# Altium PCB fMAX_MB.PcbDoc (part 11 of 13) (continued)
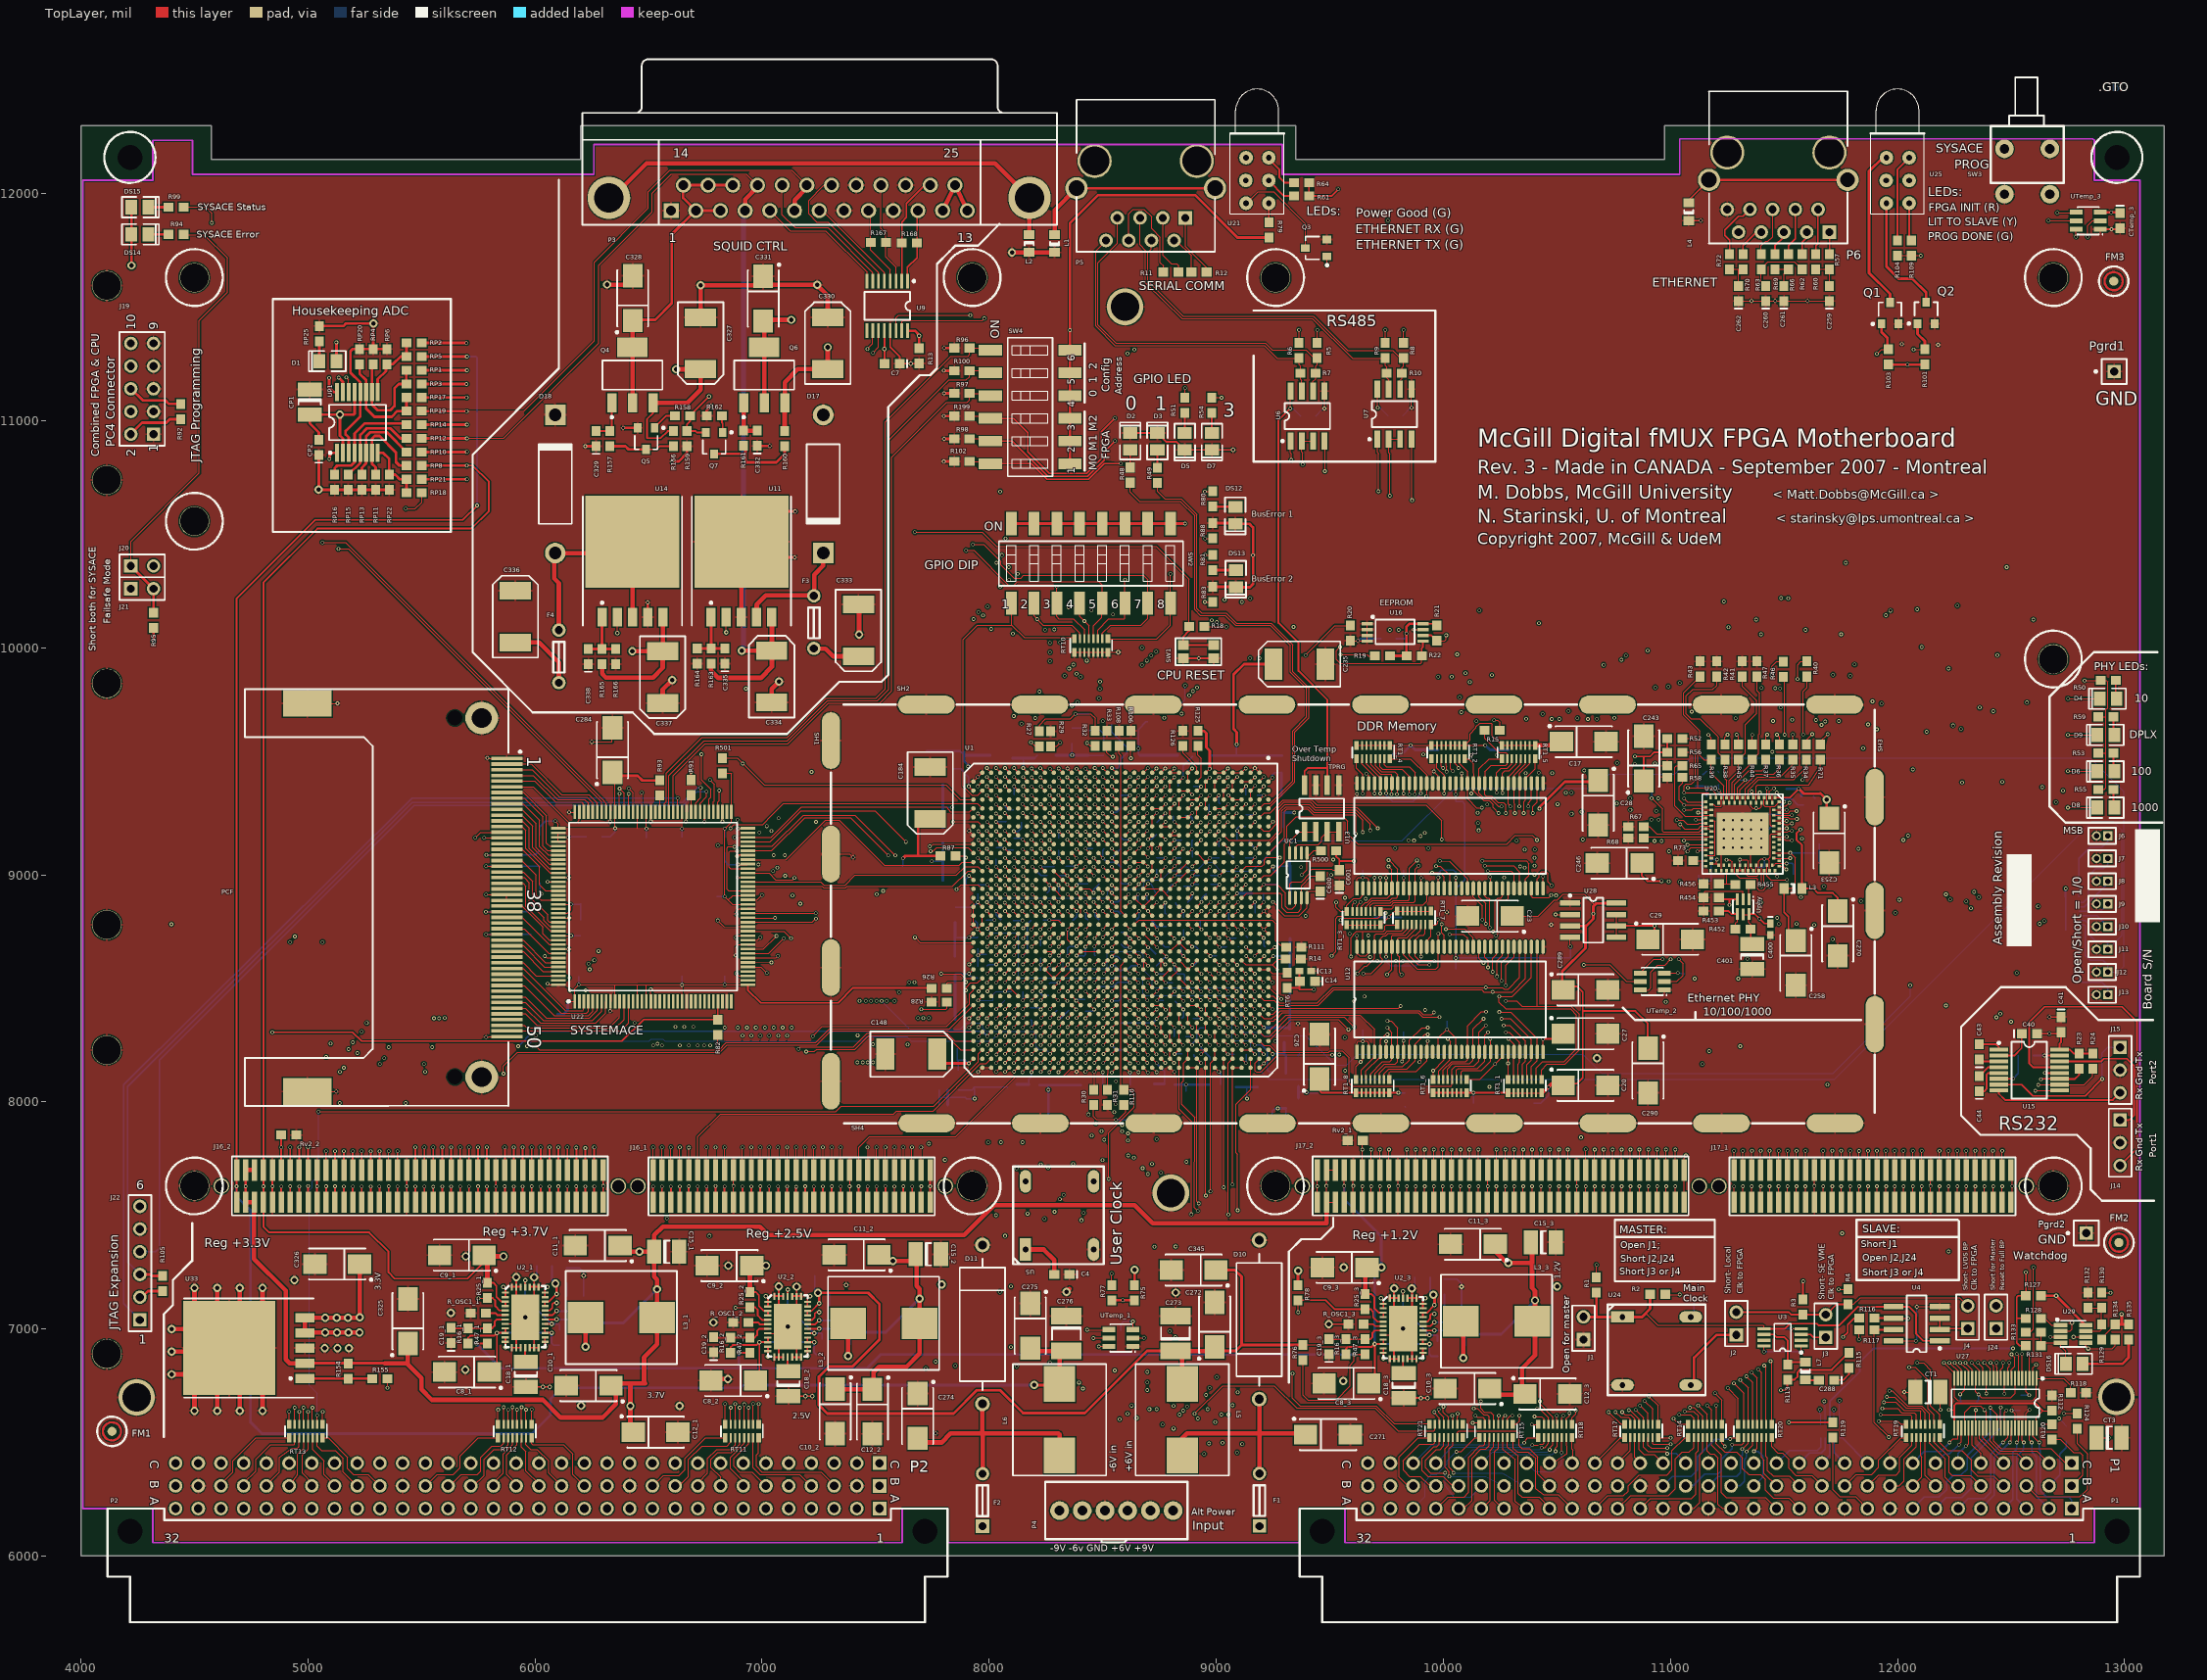
[diagram p0: TopLayer view]
## Nets (pads, with @x,y where several pads share a name; then routed paths per layer and width w, separated by ;. In a path a pad name is that pad's centre, name@x,y a point inside that pad or via, vN(x,y) a via of type N, cw(c..) or ccw(c..) an arc to the next point about the centre after c; other vN are vias at no path point) (continued)
  MidLayer1 w5: v1(8095.47,7187.01) 8311.02,7187.01 8339.57,7215.55 10395.67,7215.55 10465.55,7145.67 11010.83,7145.67 11032.48,7167.32 11671.26,7167.32 11694.88,7143.7 12498.03,7143.7 12571.85,7069.88 12571.85,6890.15 v1(12572,6890)
  MidLayer6 w5: v1(7990,8368) 7990.27,8368 8010.83,8347.44 8010.83,8321.85 8022.64,8310.04 8151.57,8310.04 8169.29,8292.32 8169.29,7790.35 8095.47,7716.54 v1(8095.47,7187.01)
VME_D2: U1.AN28 U27.5 | length 6220.4
  TopLayer w5: v1(7951,8368) 7969.61,8386.61 U1.AN28@7969.76,8386.61 ; U27.5@12549.11,6782.25 v1(12549.11,6889.89)
  MidLayer1 w5: v1@8047.24,7162.4 8303.15,7162.4 8335.47,7194.72 9759.68,7194.72 9769.68,7204.72 10381.89,7204.72 10452.76,7133.86 11491.14,7133.86 11497.87,7127.13 12162.24,7127.13 12224.25,7065.12 12240,7049.37 12474.25,7049.37 12549.11,6974.51 v1@12549.11,6891.83
  MidLayer6 w5: v1(7951,8368) 7951.88,8368 7972.44,8347.44 7972.44,8284.45 7989.17,8267.72 8116.14,8267.72 8129.92,8253.94 8129.92,7790.35 8047.24,7707.68 v1@8047.24,7162.4
  other v1: 8047.24,7163.39
VME_D3: U1.AH24 U27.6 | length 6454.3
  TopLayer w5: v1(8149,8526) 8166.61,8543.61 U1.AH24@8166.61,8544.09 ; v1(12525,6889) 12533.36,6880.64 U27.6@12533.36,6782.25
  MidLayer3 w5: v1(9606.3,8443.9) 10249.02,8443.9 10282.32,8477.2 10782.32,8477.2 10962.44,8657.32 12435.2,8657.32 v1(12524.61,8567.91)
  MidLayer5 w5: v1(12524.61,8567.91) 12524.61,8105.55 12611.22,8018.94 12611.22,7586.61 12628.54,7569.3 12628.54,7041.92 12525,6938.39 v1(12525,6889)
  MidLayer4 w5: v1(8149,8526) 8149,8524.23 8169.29,8503.94 8355.32,8503.94 8365.16,8494.09 8365.16,8476.38 8376.97,8464.57 9246.06,8464.57 9275.59,8435.04 9504.92,8435.04 9513.78,8443.9 v1(9606.3,8443.9)
VME_D4: U1.AH23 U27.8 | length 6211.5
  TopLayer w5: v1(8147,8563) 8166.61,8582.61 U1.AH23@8166.61,8583.46 ; U27.8@12501.87,6782.25 12501.87,6820.76 12515.75,6834.65 12515.75,6874.25 v1(12501.87,6888.13)
  MidLayer5 w5: v1(12499.88,8353.23) 12499.88,8121.93 12493.11,8115.16 12493.11,7826.51 12524.61,7795.02 12524.61,6962.6 12485.24,6923.23 12485.24,6904.76 v1(12501.87,6888.13)
  MidLayer4 w5: v1(8147,8563) 8147,8561.66 8165.35,8543.31 8577.76,8543.31 8617.13,8503.94 9104.33,8503.94 9110.24,8509.84 9110.24,8536.42 9121.06,8547.24 9135.83,8547.24 9152.56,8563.98 9152.56,8580.71 9163.9,8592.05 9233.74,8592.05 9260.83,8564.96 9279.53,8564.96 9306.61,8592.05 9561.5,8592.05 9608.11,8545.43 10200.63,8545.43 10392.83,8353.23 v1(12499.88,8353.23)
VME_D5: U1.AG26 U27.9 | length 6082.2
  TopLayer w5: v1(8187,8446) 8205.98,8464.98 U1.AG26@8205.98,8465.35 ; U27.9@12486.12,6782.25 12486.12,6828.64 12492.13,6834.65 v1(12492.13,6850.39)
  MidLayer1 w5: v1(8796.26,6991.14) 9450.79,6991.14 9611.22,6830.71 11220.47,6830.71 11506.89,7117.13 12027.56,7117.13 12089.57,7055.12 12184.06,7055.12 12199.8,7039.37 12343.5,7039.37 12352.36,7030.51 12352.36,6990.16 v1(12492.13,6850.39)
  MidLayer4 w5: v1(8187,8446) 8187,8444.89 8205.71,8426.18 8333.66,8426.18 8374.02,8385.83 8391.73,8385.83 8404.53,8373.03 8404.53,8363.19 8423.23,8344.49 8509.84,8344.49 8521.65,8332.68 8521.65,7985.24 8398.78,7862.36 8398.78,7553.98 8507.87,7444.88 8507.87,7238.19 8754.92,6991.14 v1(8796.26,6991.14)
VME_D6: U1.AG25 U27.11 | length 5989.3
  TopLayer w5: v1(8189,8487) 8205.98,8503.98 U1.AG25@8205.98,8504.72 ; U27.11@12454.62,6782.25 12454.62,6820.76 12464.57,6830.71 v1(12464.57,6850.39)
  MidLayer1 w5: v1(8818.9,6963.58) 9464.2,6963.58 9608.89,6818.9 11224.05,6818.9 11504.4,7099.25 11504.76,7099.25 11507.87,7102.36 12023.62,7102.36 12083.66,7042.32 12181.1,7042.32 12288.39,6935.04 12379.92,6935.04 v1(12464.57,6850.39)
  MidLayer4 w5: v1@8188.98,8488.19 8212.6,8464.57 8349.41,8464.57 8364.17,8449.8 8364.17,8437.01 8375.98,8425.2 8407.48,8425.2 8446.85,8385.83 8547.24,8385.83 8562.01,8371.06 8562.01,8112.2 8582.68,8091.54 8582.68,7919.29 8556.1,7892.72 8556.1,7270.67 8818.9,7007.87 v1(8818.9,6963.58)
VME_D7: U1.AF24 U27.12 | length 5810.9
  TopLayer w5: v1(8227,8526) 8245.09,8544.09 U1.AF24@8245.35,8544.09 ; v1(12437.01,6850.39) 12437.01,6830.71 12438.87,6828.84 U27.12@12438.87,6782.25
  Power3 w6: v1(8227,8526) 8228.92,8526 8250,8504.92 9392.72,8504.92 9420.28,8477.36 9440.94,8477.36 9467.52,8503.94 10116.14,8503.94 10195.87,8424.21 v1@12212.6,8424.21
  Gnd3 w5: v1(12213.58,8424.21) 12213.58,7847.44 12244.09,7816.93 12244.09,7277.56 12376.97,7144.69 12376.97,6953.74 12437.01,6893.7 v1(12437.01,6850.39)
VME_D8: U1.AG23 U27.13 | length 6111.2
  TopLayer w5: v1(8188,8565) 8205.98,8582.98 U1.AG23@8205.98,8583.46 ; v1(12409.45,6850.39) 12423.13,6836.72 U27.13@12423.13,6782.25
  MidLayer5 w5: v1(12409.45,6850.39) 12409.45,6877.95 12388.78,6898.62 12388.78,7146.65 12477.36,7235.24 12477.36,7656.5 12499.02,7678.15 12499.02,7792.32 12435.04,7856.3 v1(12435.04,8372.05)
  MidLayer4 w5: v1@8188.98,8565.98 8206.66,8583.66 8578.74,8583.66 8619.09,8543.31 9094.49,8543.31 9109.25,8558.07 9109.25,8578.74 9132.56,8602.05 9641.32,8602.05 9664.63,8578.74 10182.09,8578.74 10397.6,8363.23 12426.22,8363.23 v1(12435.04,8372.05)
VME_D9: U1.AK28 U27.14 | length 6347.2
  TopLayer w5: v1(8069,8367) 8087.87,8385.87 U1.AK28@8087.87,8386.61 ; v1(12381.89,6850.39) 12407.38,6824.91 U27.14@12407.38,6782.25
  MidLayer1 w5: v1(8267.72,6852.36) 9554.13,6852.36 9599.41,6807.09 11226.38,6807.09 11438.98,7019.69 12152.56,7019.69 12259.84,6912.4 12319.88,6912.4 v1(12381.89,6850.39)
  MidLayer5 w5: v1(8069,8367) 8069,8369.2 8086.61,8386.81 8161.42,8386.81 8206.69,8432.09 8206.69,8452.76 8218.5,8464.57 8313.98,8464.57 8326.77,8451.77 8326.77,8320.87 8312.99,8307.09 8297.24,8307.09 8287.4,8297.24 8287.4,8055.12 8275.59,8043.31 8275.59,7632.87 8267.72,7625 v1(8267.72,6852.36)
VME_D10: U1.AK27 U27.16 | length 6341.3
  TopLayer w5: v1(8070,8408) 8087.87,8425.87 U1.AK27@8087.87,8425.98 ; v1(12354.33,6850.39) 12375.88,6828.84 U27.16@12375.88,6782.25
  MidLayer1 w5: v1(8696.85,6731.3) 8954.72,6731.3 8962.39,6723.63 9074.02,6723.63 9108.27,6757.87 9533.46,6757.87 9549.06,6742.28 10715,6742.28 10739.76,6717.52 10842.52,6717.52 10875.98,6750.98 10974.02,6750.98 11025,6700 11085,6700 ; 11081.69,6699.8 11331.69,6699.8 11636.81,7004.92 12117.13,7004.92 12225.39,6896.65 12308.07,6896.65 v1(12354.33,6850.39)
  MidLayer4 w5: v1(8070,8408) 8070.4,8408 8087.6,8425.2 8157.48,8425.2 8192.91,8389.76 8349.41,8389.76 8367.13,8372.05 8367.13,8361.22 8381.89,8346.46 8394.69,8346.46 8404.53,8336.61 8404.53,8316.93 8413.39,8308.07 8467.52,8308.07 8483.27,8292.32 8483.27,7961.61 8388.78,7867.13 8388.78,7240.88 8640.33,6989.33 8699.65,6989.33 8772.64,6916.34 8772.64,6807.09 v1@8696.85,6731.3
VME_D11: U1.AJ24 U27.17 | length 6428.3
  TopLayer w5: v1(8109,8526) 8127.09,8544.09 U1.AJ24@8127.24,8544.09 ; v1(12326.77,6850.39) 12360.13,6817.03 U27.17@12360.13,6782.25
  MidLayer3 w5: v1(8395.67,6763.78) 8658.1,6763.78 8685.66,6791.34 8963.22,6791.34 8986.84,6814.96 9017.72,6814.96 9047.91,6784.76 9190.63,6784.76 9240.83,6734.57 10697.79,6734.57 10710,6746.78 10710,6780 10770,6840 11111.77,6840 11235.91,6715.87 11447.17,6715.87 11478.35,6747.05 11671.52,6747.05 11817.19,6892.72 12284.45,6892.72 v1(12326.77,6850.39)
  MidLayer5 w5: v1(8109,8526) 8109,8526.32 8125.98,8543.31 8351.38,8543.31 8366.14,8528.54 8366.14,7932.81 8343.5,7910.17 8343.5,7757.62 8329.72,7743.84 8329.72,7631.27 8284.45,7585.99 8284.45,7558.07 8331.38,7511.14 8331.38,7191.61 8313.98,7174.21 8313.98,7152.56 8395.67,7070.87 v1(8395.67,6763.78)
VME_D12: U1.AK24 U27.19 | length 6551.4
  TopLayer w5: v1(8069,8526) 8087.09,8544.09 U1.AK24@8087.87,8544.09 ; v1(12299.21,6850.39) 12328.64,6820.97 U27.19@12328.64,6782.25
  MidLayer3 w5: v1(8412.4,6737.2) 8645.67,6737.2 8688.98,6780.51 8966.54,6780.51 8990.16,6804.13 9012.8,6804.13 9042.17,6774.76 9185.87,6774.76 9236.06,6724.57 10701.93,6724.57 10720,6742.64 10720,6775 10760,6815 11122.01,6815 11231.14,6705.87 11644.48,6705.87 11820.5,6881.89 12267.72,6881.89 v1(12299.21,6850.39)
  MidLayer5 w5: v1(8069,8526) 8068.9,8544.29 8090.55,8554.13 8090.55,8570.87 8102.36,8582.68 8390.75,8582.68 8405.51,8567.91 8405.51,7958.04 8354.33,7906.86 8354.33,7754.3 8340.55,7740.52 8340.55,7627.95 8295.28,7582.68 8295.28,7562.01 8341.38,7515.91 8341.38,7200.94 8412.4,7129.92 v1(8412.4,6737.2)
VME_D13: U1.AN29 U27.20 | length 6526.7
  TopLayer w5: v1(7952,8329) 7969.76,8346.76 U1.AN29@7969.76,8347.24 ; v1(12275.59,6850.39) 12295.28,6830.71 12299.21,6830.71 12312.89,6817.03 U27.20@12312.89,6782.25
  MidLayer1 w5: v1(7850.39,6837.6) 8062.99,6837.6 8425.2,6475.39 10309.06,6475.39 10350.39,6516.73 10737.3,6516.73 10788.48,6567.91 11283.46,6567.91 11632.87,6917.32 11767.72,6917.32 11820.87,6970.47 12107.28,6970.47 12199.8,6877.95 12248.03,6877.95 v1(12275.59,6850.39)
  MidLayer5 w5: v1(7850.39,6837.6) 7850.39,7671.26 7789.37,7732.28 7789.37,7752.95 7893.7,7857.28 7893.7,8272.64 7950.06,8329 v1(7952,8329)
VME_D14: U1.AP29 U27.22 | length 6219.7
  TopLayer w5: v1(7912,8328) 7930.39,8346.39 U1.AP29@7930.39,8347.24 ; v1(12251.97,6850.39) 12281.39,6820.97 U27.22@12281.39,6782.25
  MidLayer2 w5: v1(7764.76,6856.3) 8246.06,6856.3 8257.87,6868.11 8278.54,6868.11 8301.02,6845.63 10930.9,6845.63 10936.65,6851.38 11266.73,6851.38 11342.52,6927.17 11586.61,6927.17 11620.91,6892.87 12227.2,6892.87 12251.97,6868.11 v1(12251.97,6850.39)
  MidLayer5 w5: v1(7764.76,6856.3) 7764.76,7742.49 7882.87,7860.6 7882.87,8303.15 7907.72,8328 v1(7912,8328)
VME_D15: U1.AP22 U27.23 | length 6186.5
  TopLayer w5: v1(7912,8605) 7929.83,8622.83 U1.AP22@7930.39,8622.83 ; v1(12228.35,6850.39) 12248.03,6830.71 12251.97,6830.71 12265.65,6817.03 U27.23@12265.65,6782.25
  MidLayer1 w5: v1(8727.36,7362.2) 8792.32,7362.2 8812.99,7341.54 v1(12225.39,7341.53)
  MidLayer3 w5: v1(7912,8605) 8004.25,8605 8024.61,8584.65 8537.88,8584.65 8538.86,8583.66 8676.18,8583.66 8719.49,8540.35 8719.49,8357.28 8730.32,8346.46 8741.14,8346.46 8757.87,8329.72 8757.87,7714.57 8692.91,7649.61 8692.91,7396.65 v1(8727.36,7362.2)
  MidLayer5 w5: v1(12225.39,7341.53) 12228.35,7338.58 v1(12228.35,6850.39)
VME_D_OE_1: R112.2 U1.AJ27 U27.25 U27.48 | length 6676.8
  TopLayer w5: v1(8110,8408) 8127.24,8425.24 U1.AJ27@8127.24,8425.98 ; v1(12226.38,6643.7) 12249.9,6643.7 ; U27.48@12612.1,6563.02 12612.1,6612.1 12639.54,6639.54 R112.2@12680,6639.54
  TopLayer w8: U27.25@12249.9,6563.02 12249.9,6663.9 12259,6673 12606.07,6673 12639.54,6639.54
  MidLayer3 w5: v1(8696.85,6764.76) 9181.1,6764.76 9231.3,6714.57 10872.67,6714.57 10892.35,6734.25 10930.75,6734.25 10956.18,6708.82 11094.33,6708.82 11107.28,6695.87 11648.62,6695.87 11823.82,6871.06 12110.24,6871.06 12226.38,6754.92 v1(12226.38,6643.7)
  MidLayer4 w5: v1(8110,8408) 8118.57,8408 8141.73,8384.84 8156.5,8384.84 8193.9,8347.44 8349.41,8347.44 8364.17,8332.68 8364.17,8283.46 8379.92,8267.72 8433.07,8267.72 8445.87,8254.92 8445.87,7986.22 8353.35,7893.7 8353.35,7262.17 8636.19,6979.33 8694.88,6979.33 8759.84,6914.37 8759.84,6827.76 v1@8696.85,6764.76
VME_D_TR_1: R118.2 U1.AH27 U27.1 U27.24 | length 6823.1
  TopLayer w5: v1(8149,8408) 8166.61,8425.61 U1.AH27@8166.61,8425.98 ; v1(12204.72,6850.39) 12249.9,6805.22 U27.24@12249.9,6782.25 ; U27.24@12249.9,6781.52 12249.9,6700.1 12265,6685 12595,6685 12612.1,6702.1 12612.1,6781.52 12731.48,6781.52 12762.54,6750.46 R118.2@12762.54,6719
  MidLayer2 w5: v1(8120.08,6835.63) 10935.04,6835.63 10939.96,6840.55 11270.05,6840.55 11345.84,6916.34 11582.68,6916.34 11616.14,6882.87 12172.24,6882.87 v1(12204.72,6850.39) ; 11312.99,6882.87 11312.99,6883.5
  MidLayer5 w5: v1(8120.08,6835.63) 8153,6868.55 8153,7216.09 8060,7309.09 8060,7364.33 8003.78,7420.55 8003.78,7787.56 7973.43,7817.91 7973.43,8215.55 7987.2,8229.33 7997.05,8229.33 8011.81,8244.09 8011.81,8413.39 8023.62,8425.2 8128.94,8425.2 v1@8146.13,8408
VME_DS0_1: RT14.2 U1.C32 U1.D32 | length 3748.3
  TopLayer w5: U1.D32@9111.5,8229.13 U1.C32@9150.87,8229.13 v1(9170,8210) ; v1(11200.79,6663.39) RT14.2@11201.31,6580.27
  MidLayer5 w5: v1(11170.28,8223.42) 11170.28,7626.97 11168.31,7625 11168.31,7588.58 11181.1,7575.79 11181.1,6707.68 11200.79,6687.99 v1(11200.79,6663.39)
  MidLayer4 w5: v1(9170,8210) 9170,8207.95 9188.98,8188.98 9607.28,8188.98 9635.67,8217.36 10650.43,8217.36 10656.5,8223.43 v1(11170.28,8223.42)
VME_DS1_1: RT14.1 U1.H27 U1.H28 | length 4083.3
  TopLayer w5: U1.H27@8954.02,8425.98 U1.H28@8954.02,8386.61 v1(8973.63,8367) ; v1(11196.85,6716.53) 11225.92,6687.46 RT14.1@11225.92,6580.27
  MidLayer3 w5: v1(8973.63,8367) 8975.52,8367 8996.06,8346.46 9296.46,8346.46 9323.03,8373.03 9841.54,8373.03 9893.7,8425.2 10963.58,8425.2 v1(10979.33,8440.94)
  Gnd3 w5: v1(10979.33,8440.94) 10979.33,7820.87 11001.97,7798.23 11001.97,6944.88 11196.85,6750 v1(11196.85,6716.53)
VME_DTACK_1: RT14.4 U1.M26 U1.N22 U1.N23 | length 4677.2
  TopLayer w5: U1.N23@8757.17,8583.46 U1.N22@8757.17,8622.83 v1(8775,8605) ; U1.M26@8796.54,8465.35 8796.54,8465.54 v1(8816,8485) ; v1(11122.05,6663.39) 11161.94,6623.49 RT14.4@11161.94,6580.27
  MidLayer1 w5: v1(8816,8485) 8816,8357.34 8799.21,8340.55 8799.21,8202.76 8814.47,8187.5 8829.23,8187.5 8839.57,8177.17 8839.57,7699.58 8901.57,7637.57 8901.57,7562.01 8820.87,7481.3 v1(8820.87,7363.19)
  MidLayer1 w6: v1(8775,8605) 8780,8605 8816,8569 v1(8816,8485)
  MidLayer3 w5: v1(8812.01,6661.42) 8836.61,6686.02 9120.08,6686.02 9166.34,6639.76 9916.34,6639.76 9980.32,6703.74 10875.98,6703.74 10895.67,6723.43 10926.57,6723.43 10951.18,6698.82 11086.61,6698.82 v1(11122.05,6663.39)
  MidLayer5 w5: v1(8812.01,6661.42) 8854.33,6703.74 8854.33,7329.72 v1(8820.87,7363.19)
VME_IACK_1: RT14.6 U1.C33 U1.C34 | length 3650.5
  TopLayer w5: v1(9094,7522.64) 9094,7770.17 9087.6,7776.57 9087.6,7990.16 9094,7996.56 9094,7997 9150.87,8053.87 U1.C34@9150.87,8150.39 U1.C33@9150.87,8189.76 ; v1(11062.99,6637.8) 11102.36,6637.8 11122.57,6617.58 RT14.6@11122.57,6580.27
  MidLayer1 w5: v1(9094.49,6721.46) 9112.2,6721.46 9120.91,6730.16 9137.8,6747.05 9529.53,6747.05 9544.29,6732.28 10695.5,6732.28 10706.33,6721.46 10706.33,6720.84 10707.68,6719.49 10724.41,6702.76 10870.08,6702.76 10900.59,6733.27 10967.52,6733.27 v1(11062.99,6637.8)
  MidLayer5 w5: v1@9094,6722.93 v1@9094,7522.15
VME_IACKIN_1: RT14.7 U1.D34 U1.E34 | length 3673.2
  TopLayer w5: v1@9072.13,7635.55 U1.E34@9072.13,8150.39 U1.D34@9111.5,8150.39 U1.D34@9111.61,8150.39 ; v1(11039.37,6622.05) 11088.58,6622.05 11102.89,6607.74 RT14.7@11102.89,6580.27
  MidLayer2 w5: v1(9072.13,6664.37) 9156.5,6664.37 9170.28,6650.59 9932.09,6650.59 9987.2,6705.71 10592.52,6705.71 10685.04,6613.19 10960.63,6613.19 10985.24,6637.8 11023.62,6637.8 v1(11039.37,6622.05)
  MidLayer5 w5: v1(9072.13,6664.37) v1@9072.13,7635.55
  other v1: 9072.13,7635.83
VME_IACKOUT_1: RT14.8 U1.G30 U1.G31 | length 3994.9
  TopLayer w5: U1.G30@8993.39,8307.87 U1.G31@8993.39,8268.5 v1(9011.89,8250) ; v1(11013.78,6604.33) 11037.84,6580.27 RT14.8@11078.28,6580.27
  MidLayer3 w5: v1@9092.52,6455.71 9122.05,6455.71 9222.44,6556.1 10965.55,6556.1 v1(11013.78,6604.33)
  MidLayer5 w5: v1(9011.89,8250) 9011.89,8219.57 8978.5,8186.18 8978.5,7762.64 9112.2,7628.94 9112.2,6607.28 9091.54,6586.61 v1(9091.53,6455.71)
VME_IRQ1: RT21.8 U1.M32 U1.M33 | length 2876.2
  TopLayer w5: U1.M32@8796.54,8229.13 U1.M33@8796.54,8189.76 v1(8814.3,8172) ; v1(9335.63,6803.15) 9335.63,6694.37 9368.58,6661.42 9704.72,6661.42 9783.46,6582.68 9935.87,6582.68 RT21.8@9938.28,6580.27
  MidLayer1 w5: v1@8696.85,6811.02 9327.76,6811.02 v1(9335.63,6803.15)
  MidLayer5 w5: v1@8696.85,6811.02 8696.85,7654.53 8781.5,7739.17 8781.5,8127.95 8814.3,8160.76 v1(8814.3,8172) ; v1(9335.63,6803.15) v1@9336.61,6802.17
  other v1: 8696.85,6811.02
VME_IRQ2: RT21.7 U1.L33 U1.L34 | length 2809.9
  TopLayer w5: U1.L33@8835.91,8189.76 U1.L34@8835.91,8150.39 8836.61,8150.39 8836.61,7967.53 8890.75,7913.39 v1(8890.75,7504.92) ; v1(8904.53,6626.97) 9027.56,6750 9254.92,6750 9353.5,6651.42 9699.96,6651.42 9800.2,6551.18 9958.66,6551.18 9962.89,6555.41 RT21.7@9962.89,6580.27
  MidLayer5 w5: v1(8890.75,7504.92) 8890.75,6640.75 v1(8904.53,6626.97)
VME_IRQ3: RT21.6 U1.N29 U1.N30 | length 3110.9
  TopLayer w5: U1.N29@8757.17,8347.24 U1.N30@8757.17,8307.87 v1(8777,8288.04) ; v1(9960.63,6633.86) 9960.63,6629.92 9982.57,6607.98 RT21.6@9982.57,6580.27
  MidLayer2 w5: v1(8871.06,6658.47) 8951.58,6658.47 8956.5,6663.39 9051.18,6663.39 9074.8,6639.76 9932.09,6639.76 9937.99,6633.86 v1(9960.63,6633.86)
  MidLayer5 w5: v1(8777,8288.04) 8777,8322.28 8801.18,8346.46 8863.19,8346.46 8876.97,8332.68 8876.97,8247.05 8844.65,8214.72 8844.65,7694.1 8905.51,7633.24 8905.51,7544.29 8871.06,7509.84 v1(8871.06,6658.47)
VME_IRQ4: RT21.5 U1.J34 U1.K34 | length 2682.5
  TopLayer w5: U1.K34@8875.28,8150.39 U1.J34@8914.65,8150.39 8914.65,7561.73 v1@8922.24,7554.13 ; v1(9980.32,6645.67) 9980.32,6633.86 10002.26,6611.91 RT21.5@10002.26,6580.27
  MidLayer1 w5: v1(8961.61,6646.65) 8995.08,6680.12 9086.61,6680.12 9116.14,6650.59 9975.39,6650.59 v1(9980.32,6645.67)
  MidLayer5 w5: v1(8923.23,7553.15) 8923.23,7551.18 8937.99,7536.42 8937.99,6670.28 v1(8961.61,6646.65)
VME_IRQ5: RT21.4 U1.M30 U1.M31 | length 3019.7
  TopLayer w5: U1.M30@8796.54,8307.87 U1.M31@8796.54,8268.5 v1(8816,8249.04) ; v1(10000,6657.48) 10000,6633.86 10021.94,6611.91 RT21.4@10021.94,6580.27
  MidLayer2 w5: v1(8854.33,6640.75) 8879.92,6640.75 8885.83,6646.65 8938.98,6646.65 8954.72,6630.91 8971.46,6630.91 8981.3,6640.75 9059.68,6640.75 9071.49,6628.94 9928.77,6628.94 9943.53,6614.17 9983.27,6614.17 10000,6630.91 v1(10000,6657.48)
  MidLayer4 w5: v1(8816,8249.04) 8816,8246.99 8837.6,8225.39 8837.6,7703.12 8901.57,7639.14 8901.57,7560.04 8858.43,7516.89 8858.43,6667.44 8854.33,6663.34 v1(8854.33,6640.75)
VME_IRQ6: RT21.3 U1.N27 U1.P27 | length 3472.5
  TopLayer w5: U1.P27@8717.8,8425.98 U1.N27@8757.17,8425.98 v1(8777,8406.15) ; v1(10039.37,6618.11) 10039.37,6610.24 10041.63,6607.98 RT21.3@10041.63,6580.27
  MidLayer1 w5: v1(8609.25,6626.97) 8811.02,6626.97 8847.44,6590.55 8963.58,6590.55 9011.81,6638.78 9061.65,6638.78 9071.49,6628.94 9928.77,6628.94 9950.42,6607.28 10028.54,6607.28 v1(10039.37,6618.11)
  MidLayer5 w5: v1(8609.25,6626.97) 8609.25,7266.73 8647.64,7305.12 8647.64,7704.72 8764,7821.09 8764,8136.05 8792.32,8164.37 8792.32,8180.12 8783.46,8188.98 8771.17,8188.98 8758.86,8201.28 8758.86,8387.8 8777,8405.94 v1(8777,8406.15)
VME_IRQ7: RT21.2 U1.K32 U1.K33 | length 2929.3
  TopLayer w5: U1.K33@8875.28,8188.72 U1.K33@8875.28,8189.76 ; U1.K32@8875.28,8229.13 U1.K33@8875.28,8189.76 ; v1(8918.31,7519.69) 8904.53,7533.46 8904.53,7541.34 8904.65,7930.5 8846.61,7988.54 8846.61,8083.61 8856,8093 8856,8171 8874.76,8189.76 U1.K33@8875.28,8189.76 ; RT21.2@10061.31,6580.27 10061.31,6612.5 10062.99,6614.17 v1(10062.99,6625.98)
  MidLayer1 w5: v1(8918.31,6606.3) 8944.88,6606.3 9008.7,6670.12 9044.45,6670.12 9065.94,6648.62 9103.97,6648.62 9112.83,6639.76 9932.09,6639.76 9953.74,6618.11 9996.06,6618.11 10019.69,6641.73 10047.24,6641.73 v1(10062.99,6625.98)
  MidLayer5 w5: v1(8918.31,6606.3) 8928.15,6616.14 8928.15,6633.86 8918.31,6643.7 v1(8918.31,7519.69)
VME_LWORD_1: RT16.13 U1.P20 U1.R19 | length 5340
  TopLayer w5: U1.R19@8679.06,8740.94 U1.R19@8678.43,8740.94 U1.P20@8717.8,8701.57 8718.43,8701.57 v1(8740,8680)
  MidLayer5 w5: v1(11677.17,6681.1) 11677.17,6872.05 11723.43,6918.31 11723.43,7539.37 11652.56,7610.24 11652.56,7788.39 11714.57,7850.39 v1(11714.57,8716.53)
  MidLayer4 w5: v1(8740,8680) 8740,8680.94 8740.98,8680.94 8798.23,8738.19 9563.98,8738.19 9590.55,8711.61 10243.11,8711.61 10280.51,8749.02 10611.22,8749.02 10643.7,8716.53 v1(11714.57,8716.53)
  BottomLayer w5: v1(11677.17,6681.1) 11677.17,6665.35 11681.94,6660.58 RT16.13@11681.94,6579.32
VME_SERA_1: P1.B21 R116.1 | length 1478
  TopLayer w6: v1(11760,6965) 11780,6985 11780,7020 11808,7048 R116.1@11830.54,7048
  Gnd1 w8: P1.B21@10769,6309 10815,6355 10815,6460 10925,6570 11235,6570 11525,6860 11700,6860 11760,6920 v1(11760,6965)
  MidLayer1 w6: P1.B21@10767,6309 P1.B21@10769,6309
VME_SERB_1: P1.B22 R117.1 | length 1551.1
  TopLayer w5: v1(11830,6954) 11830.54,6954.54 R117.1@11830.54,6997
  MidLayer1 w5: 10716.72,6482.72 10717.43,6482.72 10790.81,6556.1 11287.1,6556.1 11427.6,6696.6 ; 11424,6693 11635,6904 11780,6904 v1(11830,6954)
  MidLayer1 w6: P1.B22@10667,6309 10667,6310 10716.72,6359.72 10716.72,6482.72
VME_SYSCLK_1: R113.1 R115.1 R119.1 | length 756.4
  TopLayer w8: v1@11485,6730 11505,6730 11515,6740 11515,6774.54 R113.1@11517,6776.54 11546.54,6776.54 11560,6790 11560,6810 11570.07,6820.07 11710.07,6820.07 R115.1@11786,6896 ; v1(11521.53,6588.46) R119.1@11715,6588.46 ; R113.1@11525,6770 R113.1@11525,6775
  Gnd1 w8: v1(11486,6730) 11521.53,6694.47 v1(11521.53,6588.46)
VME_SYSFAIL_1: R47_1.1 R47_2.1 R47_3.1 R76.1 R155.1 RT16.16 | length 7704.5
  TopLayer w5: v1(5350.39,6740.16) 5350.46,6740.23 R155.1@5350.46,6781 ; R76.1@9382,6862.54 9382,6708 9403,6687 9528,6687 9590,6749 9590,6841 9607.36,6858.36 v3(9607.36,6887.46)
  TopLayer w8: v3(5741.54,6936.54) R47_1.1@5790,6936.54 ; v3(6897.71,6895.46) R47_2.1@6946.17,6895.46 ; v3(9607.36,6887.46) R47_3.1@9655.83,6887.46
  MidLayer1 w5: v1(5350.39,6740.16) 5547.72,6936.54 v3(5741.54,6936.54)
  Power2 w12: v3(9607.36,6887.46) 9607.36,6886.73 9669.29,6824.8 11233.27,6824.8 11364.17,6955.71 11585.63,6955.71 11744.09,6797.24 v1(11744.09,6685.04)
  BottomLayer w5: RT16.16@11744.09,6581.15 v1(11744.09,6685.04)
  BottomLayer w12: v3(5741.54,6936.54) 5851.07,6827 7461,6827 7521.46,6887.46 v3(9607.36,6887.46) ; 6897.71,6827.29 v3(6897.71,6895.46)
VME_SYSRESET_1: J24.1 R134.1 RT16.14 U29.5 | length 1756.9
  TopLayer w5: U29.5@12828.55,6939.29 12828.55,6925.45 v3(12840,6914) 12946,6914 12958.32,6926.31 R134.1@12958.32,6952.6
  MidLayer1 w5: v1(12509,6914) 12497.66,6914 12482.28,6898.62 12482.28,6883.86 12496.06,6870.08 12798.23,6870.08 v3@12840,6911.85
  MidLayer1 w6: J24.1@12434,7002 12434,6988 v1@12508,6914
  BottomLayer w8: RT16.14@11701.63,6579.32 11701.63,6680.63 11834,6813 11834,6855 11893,6914 v1(12509,6914)
VME_UD0: RT11.1 U1.AP25 | length 2659.7
  TopLayer w4: v1(7223.43,8289.37) v1@7223.43,8290.35
  TopLayer w5: RT11.1@6984.92,6580 v1(6984.92,6669.08) ; v1@7223.43,8287.4 v1(7223.43,8289.37) ; v1@7223.43,8290.35 7265.07,8332 7482,8332 7813,8332 7913,8432 7913,8474.02 7930.39,8491.42 U1.AP25@7930.39,8504.72
  Gnd1 w5: v1(6984.92,6669.08) 6984.92,6889.45 7043.31,6947.83 7043.31,7225.39 7248.03,7430.12 7248.03,8264.76 v1(7223.43,8289.37)
VME_UD1: RT11.2 U1.AL29 | length 2572.7
  TopLayer w5: RT11.2@6960.32,6580 v1(6960.32,6669.32) ; v1(8031,8329) 8048.5,8346.5 U1.AL29@8048.5,8347.24
  Power3 w6: v1(6960.32,6669.32) 6960.32,7309.32 7011,7360 7011,7912.89 7408.11,8310 8012,8310 v1(8031,8329)
  BottomLayer w5: v1(8031,8329) v1@8031,8330
VME_UD2: RT11.3 U1.AL28 | length 2605.5
  TopLayer w5: RT11.3@6940.63,6580 v1(6940.63,6653.54) ; v1(8030,8367) 8048.5,8385.5 U1.AL28@8048.5,8386.61
  Power3 w6: v1(6940.63,6653.54) 6940.63,7409.37 6973,7441.74 6973,7890.44 7431.56,8349 8012,8349 v1(8030,8367)
VME_UD3: RT11.4 U1.AK23 | length 2799.3
  TopLayer w5: RT11.4@6920.94,6580 v1(6920.94,6668.06) ; v1(8068,8564) 8087.46,8583.46 U1.AK23@8087.87,8583.46
  Power3 w6: v1(6920.94,6668.06) 6920.94,7500.06 6932,7511.11 6932,7865 7455,8388 7958,8388 8011,8441 8011,8537 8019,8545 8049,8545 v1(8068,8564)
VME_UD4: RT11.5 U1.AK22 | length 3913.8
  TopLayer w5: RT11.5@6901.26,6580 v1(6901.26,6653.54) ; v1(8070,8605) U1.AK22@8087.83,8622.83
  Power3 w5: 6819.6,8628.6 6896.31,8628.6 6909.45,8641.73 7047.24,8641.73 7066.93,8622.05 8051.18,8622.05 8068.23,8605 v1(8070,8605) ; 6820,6657 6820,6746.44 6280,7286.44 6280,7643 6313,7676 6313,8122 6832.73,8641.73
  Power3 w6: 6820,6657 6820,6652.44 6844.49,6627.95 6875.67,6627.95 v1(6901.26,6653.54)
VME_UD5: RT11.6 U1.AP32 | length 2573.4
  TopLayer w5: RT11.6@6881.57,6580 v1(6881.57,6669.43) ; v1(7193.9,8221.46) 7230.32,8221.46 7239.69,8230.83 7407.99,8230.83 7469.17,8292 7811,8292 7873.87,8229.13 U1.AP32@7930.39,8229.13 U1.AP32@7930.13,8229.13
  Gnd1 w5: v1(6881.57,6669.43) 6881.57,6701.46 6937.99,6757.87 6937.99,7279.53 7206.69,7548.23 7206.69,8208.66 v1(7193.9,8221.46)
VME_UD6: RT11.7 U1.AP31 | length 2596.7
  TopLayer w5: RT11.7@6861.89,6580 v1(6861.89,6653.54) ; v1(7160.43,8233.27) 7167.99,8240.83 7402.24,8240.83 7463.42,8302 7815.14,8302 7848.64,8268.5 U1.AP31@7930.39,8268.5 U1.AP31@7930.39,8268.39
  Gnd1 w5: v1(6861.89,6653.54) 6861.89,6696.54 6927.99,6762.64 6927.99,7312.83 7169.29,7554.13 7169.29,8224.41 v1(7160.43,8233.27)
VME_UD7: RT11.8 U1.AN27 | length 3538
  TopLayer w5: RT11.8@6837.28,6580 v1(6837.28,6669.28) ; v1(7952,8408) 7969.76,8425.76 U1.AN27@7969.76,8425.98
  Power3 w5: 6324,8114 6618,8408 6635.2,8425.2 7716.54,8425.2 7736.22,8405.51 7933.07,8405.51 7935.56,8408 v1(7952,8408)
  Power3 w6: 6324,8114 6324,7258 6837.28,6744.72 v1(6837.28,6669.28)
VME_UD8: RT12.1 U1.AP27 | length 3700.3
  TopLayer w5: RT12.1@5984.92,6580 v1(5984.92,6645.92) v1@5985,6646 ; v1(6005,8244) 6019.67,8229.33 6811.02,8229.33 6842.52,8260.83 7235.24,8260.83 7296.41,8322 7826,8322 7929.98,8425.98 U1.AP27@7930.39,8425.98
  MidLayer5 w5: v1(5984.92,6645.92) 5984.92,7165.92 6023,7204 6023,7479 6005,7497 v1(6005,8244)
VME_UD9: RT12.2 U1.AL30 | length 3896.3
  TopLayer w5: RT12.2@5960.32,6580 v1(5960.32,6644.68) ; v1(8032,8291) 8048.5,8307.5 U1.AL30@8048.5,8307.87
  MidLayer5 w6: v1(5960.32,6644.68) 5960.32,7010.68 5917,7054 5917,7188 5891,7214 5891,7239 6012,7360 6012,7474.44 5965,7521.44 v1(5965,8245)
  BottomLayer w5: v1(5965,8245) 5988.19,8267.72 6502.95,8267.72 6511.81,8276.57 6562.99,8276.57 6571.85,8267.72 7440.94,8267.72 7460.63,8287.4 7637.8,8287.4 7657.48,8267.72 8007.87,8267.72 v1(8032,8291)
VME_UD10: RT12.3 U1.AM30 | length 3896.7
  TopLayer w5: RT12.3@5940.94,6580.31 v1(5940.94,6655.51) ; v1(7991,8290) 8008.87,8307.87 U1.AM30@8009.13,8307.87
  MidLayer5 w6: v1(5926,8245) 5926,7544.89 6001,7469.89 6001,7365 5880,7244 5880,7209.44 5905,7184.44 5905,7050.44 5940.63,7014.81 v1(5940.94,6655.51)
  BottomLayer w6: v1(5926,8245) 5991,8310 7971,8310 v1(7991,8290)
VME_UD11: RT12.4 U1.AN30 | length 3992.6
  TopLayer w5: RT12.4@5920.94,6580 v1(5920.94,6644.94) ; v1(7952.76,8287.4) 7969.76,8307.76 U1.AN30@7969.76,8307.87
  MidLayer1 w5: v1(6005,8291) 6800,8291 6897.37,8193.63 7371.78,8193.63 7400.59,8222.44 7505.42,8222.44 7534.5,8193.36 7838.74,8193.36 7867.98,8222.6 7868.27,8222.6 7933.07,8287.4 v1(7952.76,8287.4)
  MidLayer5 w5: v1(5920.94,6644.94) 5920.94,7018.94 5894,7045.89 5894,7179.89 5869,7204.89 5869,7249 5990,7370 5990,7465.33 5888,7567.33 5888,8245 5934,8291 v1(6005,8291)
VME_UD12: RT12.5 U1.AP30 | length 3857.8
  TopLayer w5: v1(5861,8124) 5861,8157 5922.5,8218.5 6814.34,8218.5 6846.66,8250.83 7240.98,8250.83 7302.16,8312 7819.28,8312 7819.28,8311.72 7820.28,8311.72 7824.13,8307.87 U1.AP30@7930.39,8307.87 U1.AP30@7929.87,8307.87 ; RT12.5@5901.57,6580.31 v1(5901.57,6655.51)
  MidLayer5 w5: v1(5861,8124) 5846,8109 5846,7595.19 5980,7461.19 5980,7375 5840,7235 5840,7085.74 5901.26,7024.48 v1(5901.57,6655.51)
VME_UD13: RT12.6 U1.AH29 | length 4502.8
  TopLayer w5: RT12.6@5881.57,6580 v1(5881.57,6643.43) ; v1(8148,8328) 8166.61,8346.61 U1.AH29@8166.61,8347.24
  MidLayer5 w5: v1(5602,8369) 5602,8053 5809,7846 5809,7614 5829,7594 5829,7082.6 5891.26,7020.34 5891.26,6913.26 5881.57,6903.57 v1(5881.57,6643.43)
  MidLayer4 w5: v1(5602,8369) 5608,8363 6451,8363 6467,8347 8129,8347 v1(8148,8328)
VME_UD14: RT12.7 U1.AH28 | length 4530.1
  TopLayer w5: RT12.7@5861.89,6580 5862.2,6580.31 v1(5862.2,6655.51) ; v1(8149,8369) U1.AH28@8166.61,8386.61
  MidLayer5 w5: v1@5577,8369 5577,8063.86 5769,7871.86 5769,7611 5808,7572 5808,6955 5861.89,6901.11 v1(5862.2,6655.51)
  MidLayer4 w5: v1(5577,8368) 5594,8385 5609,8385 5621,8373 6343,8373 6358,8388 8085.63,8387.8 8112.2,8387.8 8131,8369 v1(8149,8369)
VME_UD15: RT12.8 U1.AL21 | length 4582.6
  TopLayer w5: RT12.8@5837.28,6580 v1(5837.28,6644.28) ; v1(8031,8645) 8048.2,8662.2 U1.AL21@8048.5,8662.2
  MidLayer2 w5: v1(5555,8368) 5555,8405 5844,8694 7938,8694 7987,8645 v1(8031,8645)
  MidLayer5 w5: v1(5555,8368) 5567,8356 5567,8059.72 5729,7897.72 5729,7619 5798,7550 5798,6950.86 5837.28,6911.57 v1(5837.28,6644.28)
VME_UD16: RT13.1 U1.AK21 | length 4651.5
  TopLayer w5: RT13.1@5064.92,6580 v1@5064.92,6634.92 ; v1(8070,8644) 8087.87,8661.87 U1.AK21@8087.87,8662.2
  Power3 w5: v1(5065,6635) 5065,6743 5035,6773 5035,7090 5060,7115 5060,7812 5266,8018 6189,8018 6835,8664 8050,8664 v1(8070,8644)